# Altium PCB Copy of PcbLayout.PcbDoc
Units mil, origin at the board's own origin, x right, y up, seen from the top; angles counter-clockwise.
Board outline 3945 x 2375 mil, 4 copper layers (Top level, GND, VDD Islands, Bottom level), stack 23.756 mil thick; 148 components, 113 nets, 459 pads, 0 vias.
Unrouted connection lines stored in the file: 307.
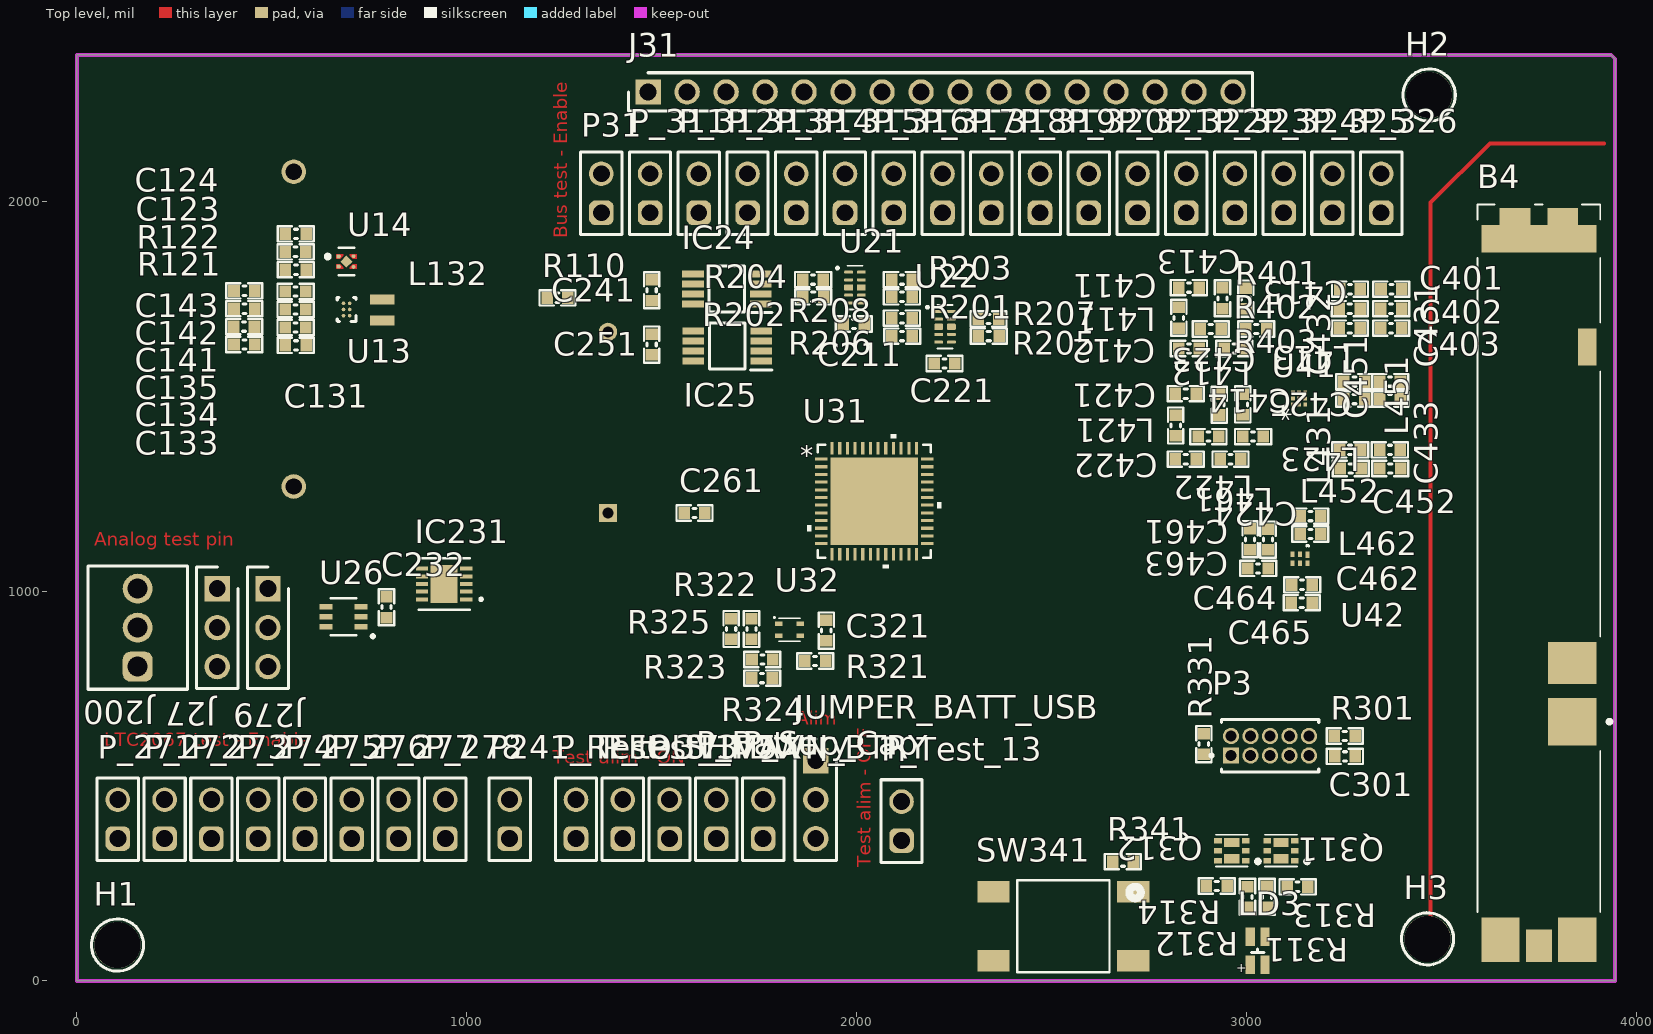
[diagram p0: Top level view]
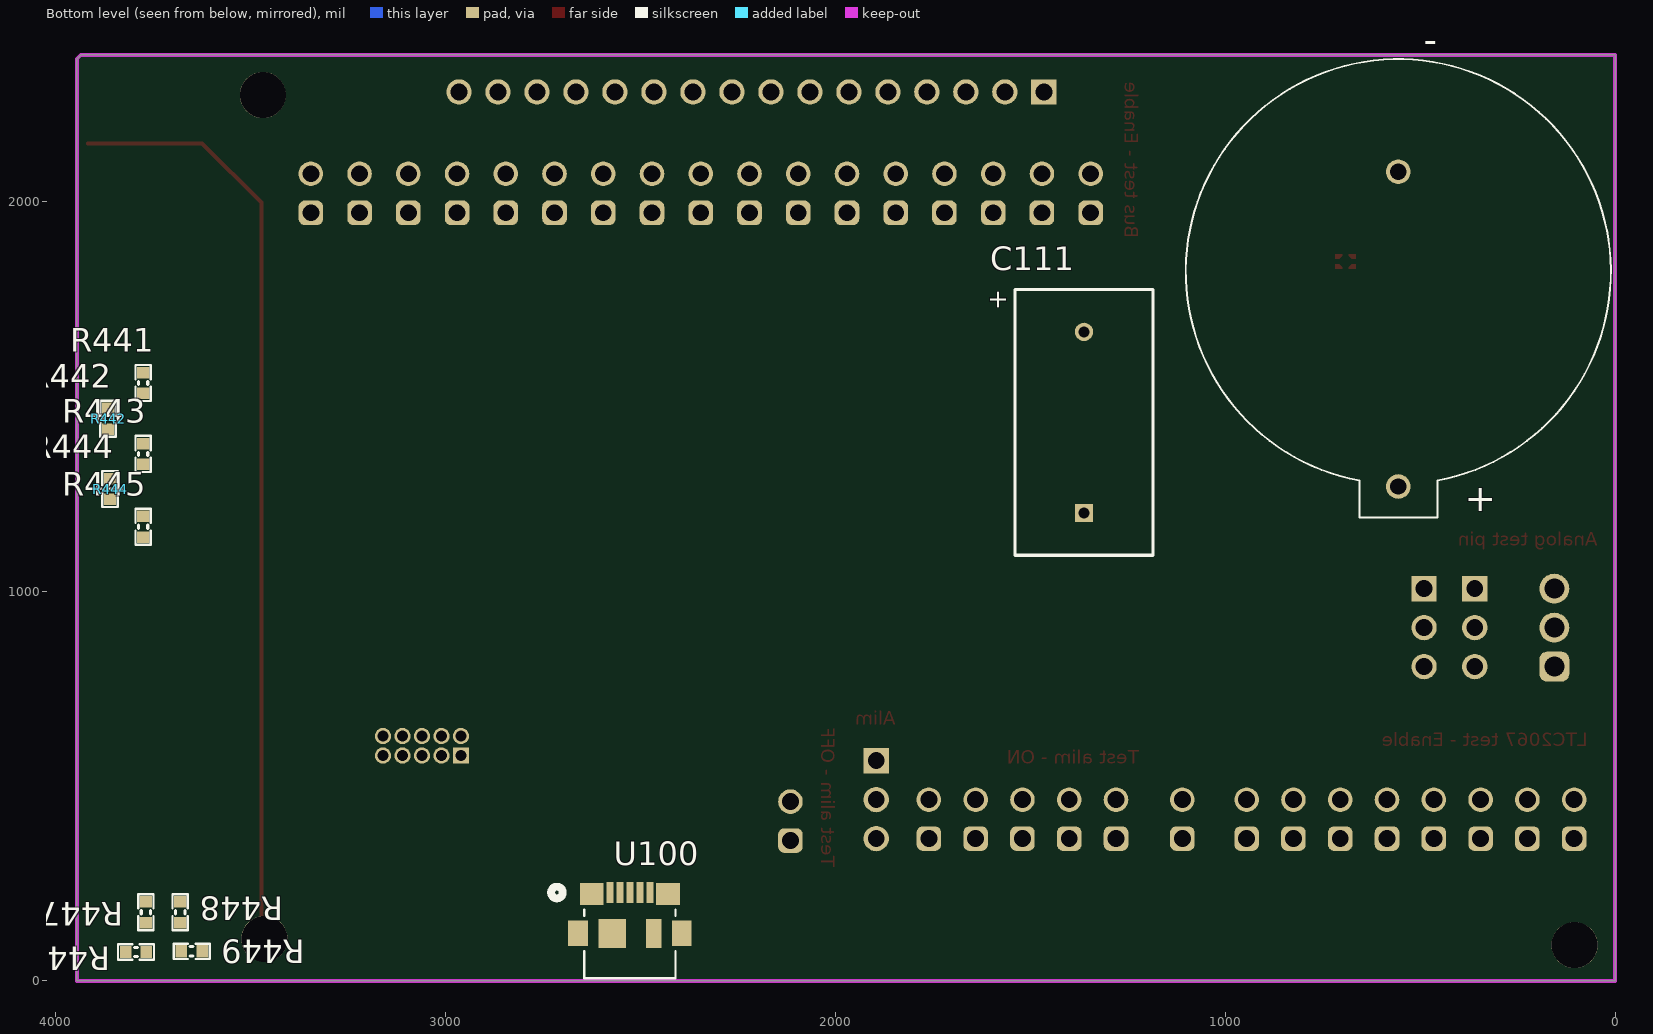
[diagram p1: Bottom level view, seen from below]

## Layer stack, top to bottom
Top Solder: solder mask 0.4, Solder Resist, Dk 3.5
Top level: signal copper 1.4
Dielectric 2: prepreg 2.8, PP-006, Dk 4.1
GND: signal copper 1.378
Dielectric 1: dielectric 12.6, FR-4, Dk 4.8
VDD Islands: signal copper 1.378
Dielectric 3: prepreg 2.8, PP-006, Dk 4.1
Bottom level: signal copper 1.4
Bottom Solder: solder mask 0.4, Solder Resist, Dk 3.5

## Board outline
0,0 0,2375 3935,2375 3945,2365 3945,0

## Design rules (kind name [scope] priority, off if disabled: settings)
Clearance [All] p1: gap=5 ignorepadtopadclearanceinfootprint=TRUE
PolygonConnect [All] p1: connectstyle=Relief reliefconductorwidth=10 reliefentries=4 polygonreliefangle="90 Angle" airgapwidth=10
RoutingVias [All] p1: holewidth=28 width=50 viastyle="Through Hole" minholewidth=28 minwidth=50 maxholewidth=28 maxwidth=50
SolderMaskExpansion [All] p1: expansion=4 istentingtop=FALSE
Width [All] p1: maxlimit=10 minlimit=5 preferedwidth=10 toplayer_prefwidth=5 midlayer1_minwidth=10 midlayer2_minwidth=10 bottomlayer_prefwidth=5 minimp=50.000000 maximp=50.000000 favimp=50.000000
30 further rules are at their usual default settings.

## Classes and differential pairs
net class N000-1_[16..1]: A0_Drain A0_Gate A1_Drain A1_Gate ANALOG1 ANALOG2 ANALOG3 ANALOG4 ANALOG5 ANALOG6 ANALOG7 ANALOG8 ANALOG9 ANALOG10 ANALOG11 ANALOG12
component class RF_antenna: B4 C401 C402 C403 C411 C412 C413 C414 C415 C421 C422 C423 C424 C425 C431 C432 C433 C451 C452 C461 C462 C463 C464 C465 L411 L412 L413 L421 L422 L423 L431 L451 L452 L461 L462 R401 R402 R403 R441 R442 R443 R444 R445 R446 R447 R448 R449 U41 U42
component class Processor: C301 C321 H1 H2 H3 J31 LD3 P3 P31 P_311 P_312 P_313 P_314 P_315 P_316 P_317 P_318 P_319 P_320 P_321 P_322 P_323 P_324 P_325 P_326 Q311 Q312 R301 R311 R312 R313 R314 R321 R322 R323 R324 R325 R331 R341 SW341 U31 U32
component class PowerElectronics: BT? C111 C123 C124 C131 C133 C134 C135 C141 C142 C143 JUMPER_BATT_USB L132 P_Battery P_SHTDWN_BTRY P_Sup_Cap P_test_1V5 P_Test_3V3 P_Test_13 R110 R121 R122 U13 U14 U100
component class AnalogParts: C211 C221 C232 C241 C251 C261 IC24 IC25 IC231 J27 J200 J279 P241_REFOUT_MAX P_271 P_272 P_273 P_274 P_275 P_276 P_277 P_278 R201 R202 R203 R204 R205 R206 R207 R208 U21 U22 U26

## Components (designator, comment, footprint, x,y, rotation, side; value= is the part's Value field where it differs from the comment)
B4 "P822601" P822601 3749.37,1015.39 r90 top
BT? "BatteryHolder_2477" BatteryHolder2477 556,1819.18 r180 bottom
C111 "0.47F" TH_SUPCAP_PHVL3R9V474R 1362.1,1200 r90 bottom
C123 "100µF" CAPC1608X06L 429.54,1723.99 r180 top value=4.7µF
C124 "1µF" CAPC1608X06L 429.54,1769.99 r180 top value=4.7µF
C131 "10µF" CAPC1608X06L 561.54,1629.99 r0 top value=4.7µF
C133 "10µF" CAPC1608X06L 560.97,1675.99 r0 top value=4.7µF
C134 "10µF" CAPC1608X06L 560.97,1721.99 r0 top value=4.7µF
C135 "22µF" CAPC1608X06L 560.97,1767.99 r0 top value=4.7µF
C141 "1µF" CAPC1608X06L 561.54,1823.99 r0 top
C142 "1µF" CAPC1608X06L 560.97,1869.99 r0 top
C143 "1µF" CAPC1608X06L 561.54,1915.99 r0 top
C211 "100nF" CAPC1608X06L 1992.57,1684.63 r180 top value=4.7µF
C221 "100nF" CAPC1608X06L 2225.01,1583.68 r180 top value=4.7µF
C232 "100nF" CAPC1608X06L 794,958.57 r90 top value=4.7µF
C241 "100nF" CAPC1608X06L 1474,1771.42 r270 top value=4.7µF
C251 "100nF" CAPC1608X06L 1474,1631.99 r270 top value=4.7µF
C261 "100nF" CAPC1608X06L 1584,1200 r180 top value=4.7µF
C301 "100nF" CAPC1608X06L 3252,576 r180 top
C321 "100nF" CAPC1608X06L 1922,898.57 r270 top
C401 "1nF" CAPC1608X06L 3371.15,1774 r180 top
C402 "1nF" CAPC1608X06L 3370.57,1724 r180 top
C403 "1nF" CAPC1608X06L 3370.57,1674 r180 top
C411 "1.3pF" CAPC1608X06L 2852,1778 r180 top
C412 "33pF" CAPC1608X06L 2852,1622 r0 top
C413 "3.3pF" CAPC1608X06L 2938,1750.57 r270 top
C414 "2.7pF" CAPC1608X06L 2968.57,1622 r0 top
C415 "5.6pF" CAPC1608X06L 2998,1750 r270 top
C421 "1.2pF" CAPC1608X06L 2844,1506 r180 top
C422 "68pF" CAPC1608X06L 2844,1338 r0 top
C423 "5.6pF" CAPC1608X06L 2930,1478 r90 top
C424 "2.2pF" CAPC1608X06L 2958.57,1338 r0 top
C425 "1.2pF" CAPC1608X06L 2990,1478.57 r90 top
C431 "1pF" CAPC1608X06L 3368,1537 r180 top
C432 "3.6pF" CAPC1608X06L 3276.15,1537 r180 top
C433 "2.7pF" CAPC1608X06L 3368,1492 r0 top
C451 "2.4pF" CAPC1608X06L 3265.43,1362 r180 top
C452 "0.3pF" CAPC1608X06L 3368.28,1314 r180 top
C461 "33pF" CAPC1608X06L 3008.85,1132.57 r270 top
C462 "33pF" CAPC1608X06L 3163.43,1146 r180 top value=2.4pF
C463 "1.2pF" CAPC1608X06L 3029.43,1058 r180 top
C464 "68pF" CAPC1608X06L 3142.28,1016 r0 top
C465 "47nF" CAPC1608X06L 3141.43,970 r0 top
H1 "3mm,N.P" HOLE_NP_3MM 104,92 r0 top
H2 "3mm,N.P" HOLE_NP_3MM 3468,2272 r0 top
H3 "3mm,N.P" HOLE_NP_3MM 3464,108 r0 top
IC24 "MAX5523EUA+" MAX5523EUA+ 1666.91,1774.79 r180 top
IC25 "MAX5523EUA+" MAX5523EUA+ 1668,1627.99 r180 top
IC231 "LTC2067IDD#TRPBF" 05-08-1699_ADI 942,1018 r180 top
J27 "CONN HEADER VERT 3POS 2.54MM" "CONN HEADER VERT 3POS 2.54MM" 360,1006 r270 top
J31 "PinStrip_16p" PinStrip_16p 1465,2280 r0 top
J200 "691210910003" CONN_3P_691210910003 156,906 r90 top
J279 "CONN HEADER VERT 3POS 2.54MM" "CONN HEADER VERT 3POS 2.54MM" 490,1006 r270 top
JUMPER_BATT_USB "CONN HEADER VERT 3POS 2.54MM" "CONN HEADER VERT 3POS 2.54MM" 1895,565 r270 top
L132 "2.2µH" INDC2016X10CX 783.54,1720.57 r90 top
L411 "8.7nH" INDC1608X06L_WW 2826,1700.57 r90 top
L412 "3nH" INDC1608X06L_WW 2908,1672 r0 top
L413 "3.3nH" INDC1608X06L_WW 3024.57,1672 r180 top value=3nH
L421 "8.7nH" INDC1608X06L_WW 2818,1424.57 r90 top
L422 "3.6nH" INDC1608X06L_WW 2902,1396 r0 top
L423 "3.6nH" INDC1608X06L_WW 3016.57,1396 r180 top
L431 "11nH" INDC1608X06L_WW 3276.15,1492 r180 top
L451 "24nH" INDC1608X06L_WW 3367.43,1362 r0 top
L452 "1nH" INDC1608X06L_WW 3266.85,1314 r180 top
L461 "33nH" INDC1608X06L_WW 3054.85,1132 r90 top
L462 "47nH" INDC1608X06L_WW 3163.43,1192 r180 top
LD3 "LED RG" LED_RGB_0805 3028,77.43 r0 top
P3 "FTSH-105-01-F-D-K" HDR_2x5-THT-1.27mm-K 2960,578 r0 top
P31 "Pin header 2p" Pin_header_1x2 1345,2020 r90 top
P241_REFOUT_MAX "Pin header 2p" Pin_header_1x2 1110,415 r90 top
P_271 "Pin header 2p" Pin_header_1x2 105,415 r90 top
P_272 "Pin header 2p" Pin_header_1x2 225,415 r90 top
P_273 "Pin header 2p" Pin_header_1x2 345,415 r90 top
P_274 "Pin header 2p" Pin_header_1x2 465,415 r90 top
P_275 "Pin header 2p" Pin_header_1x2 585,415 r90 top
P_276 "Pin header 2p" Pin_header_1x2 705,415 r90 top
P_277 "Pin header 2p" Pin_header_1x2 825,415 r90 top
P_278 "Pin header 2p" Pin_header_1x2 945,415 r90 top
P_311 "Pin header 2p" Pin_header_1x2 1470,2020 r90 top
P_312 "Pin header 2p" Pin_header_1x2 1595,2020 r90 top
P_313 "Pin header 2p" Pin_header_1x2 1720,2020 r90 top
P_314 "Pin header 2p" Pin_header_1x2 1845,2020 r90 top
P_315 "Pin header 2p" Pin_header_1x2 1970,2020 r90 top
P_316 "Pin header 2p" Pin_header_1x2 2095,2020 r90 top
P_317 "Pin header 2p" Pin_header_1x2 2220,2020 r90 top
P_318 "Pin header 2p" Pin_header_1x2 2345,2020 r90 top
P_319 "Pin header 2p" Pin_header_1x2 2470,2020 r90 top
P_320 "Pin header 2p" Pin_header_1x2 2595,2020 r90 top
P_321 "Pin header 2p" Pin_header_1x2 2720,2020 r90 top
P_322 "Pin header 2p" Pin_header_1x2 2845,2020 r90 top
P_323 "Pin header 2p" Pin_header_1x2 2970,2020 r90 top
P_324 "Pin header 2p" Pin_header_1x2 3095,2020 r90 top
P_325 "Pin header 2p" Pin_header_1x2 3220,2020 r90 top
P_326 "Pin header 2p" Pin_header_1x2 3345,2020 r90 top
P_Battery "Pin header 2p" Pin_header_1x2 1640,415 r90 top
P_SHTDWN_BTRY "Pin header 2p" Pin_header_1x2 1520,415 r90 top
P_Sup_Cap "Pin header 2p" Pin_header_1x2 1760,415 r90 top
P_test_1V5 "Pin header 2p" Pin_header_1x2 1400,415 r90 top
P_Test_3V3 "Pin header 2p" Pin_header_1x2 1280,415 r90 top
P_Test_13 "Pin header 2p" Pin_header_1x2 2115,410 r90 top
Q311 "DMN1029UFDB" MOSFET_DMP2160UFDB-7 3088,334.09 r180 top
Q312 "DMN1029UFDB" MOSFET_DMP2160UFDB-7 2962,334.09 r180 top
R110 "*" RESC1608X04.5L 1232.57,1752 r0 top
R121 "7.5M" RESC1608X04.5L 429.54,1631.99 r180 top
R122 "3.6M" RESC1608X04.5L 428.97,1677.99 r0 top
R201 "*" RESC1608X04.5L 2116,1754.63 r0 top
R202 "*" RESC1608X04.5L 1888.57,1754.63 r180 top
R203 "*" RESC1608X04.5L 2116,1798.63 r0 top
R204 "*" RESC1608X04.5L 1888,1798.63 r180 top
R205 "*" RESC1608X04.5L 2338.44,1653.68 r0 top
R206 "*" RESC1608X04.5L 2116.44,1653.68 r180 top
R207 "*" RESC1608X04.5L 2337.86,1697.68 r0 top
R208 "*" RESC1608X04.5L 2115.86,1699.68 r180 top
R301 "" RESC1608X04.5L 3251.43,628 r0 top
R311 "" RESC1608X04.5L 3052,216 r270 top
R312 "" RESC1608X04.5L 3002,215.43 r270 top
R313 "" RESC1608X04.5L 3130.57,241.43 r0 top
R314 "" RESC1608X04.5L 2923.43,243.43 r0 top
R321 "" RESC1608X04.5L 1893.43,820.57 r180 top
R322 "10k" RESC1608X04.5L 1730,902.57 r270 top value="10K ohm"
R323 "10k" RESC1608X04.5L 1758,824.57 r180 top value="10k ohm"
R324 "" RESC1608X04.5L 1757.43,776.57 r0 top
R325 "" RESC1608X04.5L 1678,902.57 r90 top
R331 "" RESC1608X04.5L 2890,607.43 r270 top
R341 "10k" RESC1608X04.5L 2682.57,306 r180 top value="10K ohm"
R401 "100R" RESC1608X04.5L 3265.15,1774 r0 top value=100
R402 "100R" RESC1608X04.5L 3264.57,1724 r0 top value=100
R403 "100R" RESC1608X04.5L 3264.57,1674 r180 top value=100
R441 "0R" RESC1608X04.5L 3775,1533.43 r270 bottom value=0
R442 "0R" RESC1608X04.5L 3865,1441.57 r270 bottom value=0
R443 "0R" RESC1608X04.5L 3775,1351.57 r270 bottom value=0
R444 "0R" RESC1608X04.5L 3860,1261.57 r270 bottom value=0
R445 "0R" RESC1608X04.5L 3775,1165 r270 bottom value=0
R446 "0R" RESC1608X04.5L 3793.43,74 r0 bottom value=0
R447 "0R" RESC1608X04.5L 3768,176 r90 bottom value=0
R448 "0R" RESC1608X04.5L 3680,176 r270 bottom value=0
R449 "0R" RESC1608X04.5L 3650.57,76 r0 bottom value=0
SW341 "PB SW" Switch-PB-6.2x6.3mm-SMD 2530,140 r180 top
U13 "TPS610994YFFT" YFF0006AFAD 691.67,1721.99 r180 top
U14 "TPS7A0215PDQNR" DQN0004A-MFG 691.43,1844.98 r0 top
U21 "TMUX1104DQAR" TMUX1104DQAR 1995.56,1778.32 r0 top
U22 "TMUX1104DQAR" TMUX1104DQAR 2226.44,1677.68 r0 top
U26 "TMUX1119DCKR" SC70_200X125_6N 684,934 r180 top
U31 "STM32WLE5CCU7" UFQFPN_5CCU7_STM 2045,1230 r0 top
U32 "SHT40-AD1B-R2" SHT4X 1828,900.57 r0 top
U41 "BGS13S4N9E6327XTSA1" TSNP-9-3_INF 3134.5,1494 r90 top
U42 "NX3L1T3157GM,115" XSON6_SOT886_NXP 3136.85,1082.5 r270 top
U100 "473460001" 47346-0001_MOL 2526.72,125.14 r180 bottom

## Footprints (in the part's own frame and the unit in brackets; to place one, negate y for a bottom-side part, rotate by r counter-clockwise, add the part's x,y. Pads: shape width x height; smd on the part's side, far side on the other; paste and mask are expansions set on the pad)
05-08-1699_ADI [mm]
  rect 0.808x0.255 smd paste+0 mask+0: 1(-1.445,1) 2(-1.445,0.5) 3(-1.445,0) 4(-1.445,-0.5) 5(-1.445,-1) 6(1.445,-1) 7(1.445,-0.5) 8(1.445,0) 9(1.445,0.5) 10(1.445,1)
  rect 1.753x2.489 smd paste+0 mask+0: 11(0,0)
  silkscreen extent -2.5,-1.68 1.68,1.68, body extent -1.55,-1.55 1.55,1.55, height 0.81
47346-0001_MOL [mil]
  rect 18x54 smd paste+0 mask+0: 1(-51.18,101.58) 2(-25.59,101.58) 3(0,101.58) 4(25.59,101.58) 5(51.18,101.58)
  rect 61x56 smd paste-30.5 mask-30.5: 6(-97.93,98.24) 7(97.93,98.24)
  rect 51x65 smd paste-32.5 mask-32.5: 8(-132.87,-3.14) 9(132.87,-3.14)
  rect 71x75 smd paste-37.5 mask-37.5: 10(-45.28,-3.14)
  rect 39x75 smd paste-37.5 mask-37.5: 11(61,-3.14)
  silkscreen extent -202,-118 117,117
BatteryHolder2477 [mil]
  round 63 hole 42: N(0,255.91) P(0,-551.18)
  silkscreen extent -545,-630 545,545, body extent -545,-630 545,545, height 540
CAPC1608X06L [mm]
  rect 0.75x0.8 smd: 1(-0.675,0) 2(0.675,0)
  silkscreen extent -1.17,-0.5 1.17,0.5, body extent -0.8,-0.43 0.8,0.43, height 0.8
"CONN HEADER VERT 3POS 2.54MM" [mm]
  rect 1.65x1.65 hole 1.1: 1(0,0)
  round 1.65 hole 1.1: 2(2.54,0) 3(5.08,0)
  silkscreen extent -1.42,-1.35 6.5,1.35, body extent -1.27,-1.27 6.35,1.27, height 8.69
CONN_3P_691210910003 [mm] "2,54mm - modular - green - Horizontal wire entry - Cage clamp - 0,8mm2 wires - 03p"
  rrect50% 1.95x1.95 hole 1.3: 1(-2.54,0)
  round 1.95 hole 1.3: 2(0,0) 3(2.54,0)
  silkscreen extent -4.01,-3.25 4.01,3.25, body extent -4.01,-3.25 4.01,3.25, height 8.55
DQN0004A-MFG [mm]
  round 0.279 smd paste-0.127 mask-0.127: 1(-0.505,0.33) 2(-0.505,-0.33)
  round 0.251 smd paste-0.113 mask-0.114: 3(0.459,-0.346) 4(0.459,0.346)
  rect 0.58x0.58 smd rot 135 paste-0.277 mask-0.279: 5(0,0)
  Top level region: -0.66,0.175 -0.66,0.485 -0.2,0.485 -0.2,0.385 -0.41,0.175
  Top level region: 0.66,-0.175 0.66,-0.485 0.2,-0.485 0.2,-0.385 0.41,-0.175
  Top level region: 0.66,0.175 0.66,0.485 0.2,0.485 0.2,0.385 0.41,0.175
  Top level region: -0.66,-0.175 -0.66,-0.485 -0.2,-0.485 -0.2,-0.385 -0.41,-0.175
  silkscreen extent -1.35,-0.9 0.53,0.9
HDR_2x5-THT-1.27mm-K [mm]
  rect 1.06x1.06 hole 0.71 mask+0.05: 01(0,0)
  round 1.06 hole 0.71 mask+0.05: 02(0,1.27) 03(1.27,0) 04(1.27,1.27) 05(2.54,0) 06(2.54,1.27) 07(3.81,0) 08(3.81,1.27) 09(5.08,0) 10(5.08,1.27)
  silkscreen extent -1.37,-1.08 5.71,2.35, body extent -0.63,-1.89 5.72,3.19, height 5.73
HOLE_NP_3MM [mm]
  round 3 hole 3 unplated paste+0 mask+0: 1(0,0)
  silkscreen extent -1.7,-1.7 1.7,1.7
INDC1608X06L_WW [mm]
  rect 0.75x0.8 smd: 1(-0.675,0) 2(0.675,0)
  silkscreen extent -1.17,-0.5 1.17,0.5, body extent -0.8,-0.45 0.8,0.45, height 0.81
INDC2016X10CX [mm]
  rect 0.65x1.6 smd: 1(-0.675,0) 2(0.675,0)
  body extent -1,-0.8 1,0.8, height 1
LED_RGB_0805 [mm]
  rect 0.6x1.2 smd paste+0 mask+0.05: 1(-0.475,0.9) 2(0.475,0.9) 3(0.475,-0.9) 4(-0.475,-0.9)
  silkscreen extent -0.41,-0.1 0.41,0.1, body extent -0.63,-1 0.63,1, height 0.45
MAX5523EUA+ [mm]
  rect 1.425x0.45 smd: 1(-2.212,0.975) 2(-2.212,0.325) 3(-2.212,-0.325) 4(-2.212,-0.975) 5(2.212,-0.975) 6(2.212,-0.325) 7(2.212,0.325) 8(2.212,0.975)
  silkscreen extent -2.93,-1.5 1.15,1.55, body extent -2.45,-1.5 2.45,1.5, height 1.1
MOSFET_DMP2160UFDB-7 [mm]
  rect 0.5x0.35 smd mask+0.04: 1(-0.9,0.65)
  rect 0.5x0.35 smd mask+0.05: 2(-0.9,0) 3(-0.9,-0.65) 4(0.9,-0.65) 5(0.9,0) 6(0.9,0.65)
  rect 1x0.6 smd mask+0.05: 3(0,-0.525) 6(0,0.525)
  silkscreen extent -1.8,-1.04 1.04,1.04, body extent -1.11,-1 1.11,1, height 0.7
P822601 [mm]
  rect 3.1x3.15 smd: 1(-8.9,-2.175)
  rect 2.73x3.15 smd: 2(-5.085,-2.175)
  rect 1.8x7.5 smd: 3(22.55,0)
  rect 1.1x2 smd: 3_1(24,1.55) 3_2(24,-1.55)
  rect 2.4x1.2 smd: 4(15.5,-3.15)
  rect 2.9x2.5 smd: 5(-23.1,2.5) 7(-23.1,-2.5)
  rect 2.1x1.7 smd: 6(-23.5,0)
  silkscreen extent -21.3,-4.7 24.8,4, body extent -24.8,-4 24.8,4, height 3.52
Pin_header_1x2 [mm] "Pin Header, pitch 2.54 mm, THT, Vertical, single row, 2p"
  rrect50% 1.6x1.6 hole 1.1: 1(-1.27,0)
  round 1.6 hole 1.1: 2(1.27,0)
  silkscreen extent -2.69,-1.35 2.69,1.35, body extent -2.54,-1.27 2.54,1.27, height 8.57
PinStrip_16p [mm]
  rect 1.65x1.65 hole 1.1: 1(0,0)
  round 1.65 hole 1.1: 2(2.54,0) 3(5.08,0) 4(7.62,0) 5(10.16,0) 6(12.7,0) 7(15.24,0) 8(17.78,0) 9(20.32,0) 10(22.86,0) 11(25.4,0) 12(27.94,0) 13(30.48,0) 14(33.02,0) 15(35.56,0) 16(38.1,0)
  silkscreen extent -1.27,-1.25 39.37,1.25, body extent -1.27,-1.25 39.37,1.25, height 8.47
RESC1608X04.5L [mm]
  rect 0.75x0.8 smd: 1(-0.675,0) 2(0.675,0)
  silkscreen extent -1.17,-0.5 1.17,0.5, body extent -0.77,-0.43 0.77,0.43, height 0.55
SC70_200X125_6N [mil]
  rect 33.5x14 smd paste+0 mask+2: 1(-44.75,25.59) 2(-44.75,0) 3(-44.75,-25.59) 4(44.75,-25.59) 5(44.75,0) 6(44.75,25.59)
  silkscreen extent -79,-48 33,54, body extent -48,-43 48,43, height 43
SHT4X [mm]
  rect 0.5x0.3 smd: 1(-0.7,0.4) 2(-0.7,-0.4) 3(0.7,-0.4) 4(0.7,0.4)
  silkscreen extent -1.05,-0.75 0.7,0.85, body extent -0.75,-0.75 0.75,0.75, height 0.54
Switch-PB-6.2x6.3mm-SMD [mm]
  rect 2.1x1.4 smd: 1(-4.55,2.25) 1(4.55,2.25) 2(-4.55,-2.25) 2(4.55,-2.25)
  silkscreen extent -3,-3 3,3, body extent -5,-3 5,3, height 4.39
TH_SUPCAP_PHVL3R9V474R [mm]
  rect 1.2x1.2 hole 0.7: 1(0,0)
  round 1.2 hole 0.7: 2(11.8,0)
  silkscreen extent -2.75,-4.5 14.55,4.5, body extent -2.5,-4.29 14.3,4.21, height 13.65
TMUX1104DQAR [mm]
  rrect50% 0.565x0.2 smd mask+0.05: 1(-0.417,1) 2(-0.417,0.5) 4(-0.417,-0.5) 5(-0.417,-1) 6(0.417,-1) 7(0.417,-0.5) 9(0.417,0.5) 10(0.417,1)
  rrect25% 0.565x0.4 smd paste-1 mask+0.05: 3(-0.417,0) 8(0.417,0)
  silkscreen extent -1.22,-1.42 0.5,1.42, body extent -0.5,-1.25 0.5,1.25, height 0.55
TSNP-9-3_INF [mil]
  rect 10x10 smd paste+0 mask+0: 1(-15.5,15.75) 2(-15.5,0) 3(-15.5,-15.75) 4(0,-15.5) 5(15.5,-15.75) 6(15.5,0) 7(15.5,15.75) 8(0,15.5) 9(0,0)
UFQFPN_5CCU7_STM [mil]
  rect 32x8 smd paste+0 mask+0: 1(-136,108.3) 2(-136,88.61) 3(-136,68.91) 4(-136,49.22) 5(-136,29.53) 6(-136,9.84) 7(-136,-9.84) 8(-136,-29.53) 9(-136,-49.22) 10(-136,-68.91) 11(-136,-88.61) 12(-136,-108.3) 25(136,-108.3) 26(136,-88.61) 27(136,-68.91) 28(136,-49.22) 29(136,-29.53) 30(136,-9.84) 31(136,9.84) 32(136,29.53) 33(136,49.22) 34(136,68.91) 35(136,88.61) 36(136,108.3)
  rect 8x32 smd paste+0 mask+0: 13(-108.3,-136) 14(-88.61,-136) 15(-68.91,-136) 16(-49.22,-136) 17(-29.53,-136) 18(-9.84,-136) 19(9.84,-136) 20(29.53,-136) 21(49.22,-136) 22(68.91,-136) 23(88.61,-136) 24(108.3,-136) 37(108.3,136) 38(88.61,136) 39(68.91,136) 40(49.22,136) 41(29.53,136) 42(9.84,136) 43(-9.84,136) 44(-29.53,136) 45(-49.22,136) 46(-68.91,136) 47(-88.61,136) 48(-108.3,136)
  rect 224x224 smd paste-111.5 mask+0: 49(0,0)
  silkscreen extent -172,-172 172,172, body extent -140,-140 140,140, height 24
XSON6_SOT886_NXP [mil]
  rect 16x10 smd paste+0 mask+0: 1(-10.5,19.68)
  rect 14x10 smd paste+0 mask+0: 2(-11.5,0) 3(-11.5,-19.69) 4(11.5,-19.69) 5(11.5,0) 6(11.5,19.68)
  silkscreen extent -35,17 -32,23, body extent -21,-29 21,29, height 20
YFF0006AFAD [mm]
  round 0.23 smd paste-0.102 mask+0.038: A1(-0.2,0.4) A2(0.2,0.4) B1(-0.2,0) B2(0.2,0) C1(-0.2,-0.4) C2(0.2,-0.4)
  silkscreen extent -0.61,-0.78 0.61,0.78

## Part data
B4: "AVX - P822601 - EMBEDDED ANTENNA, 1.7-2.7GHZ, 3.4DBI", Manufacturer_Name=AVX, Mouser Part Number=581-P822601, Datasheet Link=http://datasheets.avx.com/ethertronics/AVX-E_P822601-P822602.pdf, Geometry.Height=3.5mm, Manufacturer_Part_Number=P822601, Mouser Price/Stock=https://www.mouser.co.uk/ProductDetail/AVX/P822601?qs=vdi0iO8H4N0igrTLYxGIXg%3D%3D
BT?: "Battery holder for coin battery, modello BH1000G"
C111: library part PHVL-3R9V474-R, "Supercapacitors 0.47F, 3.9V working voltage, 5V surge voltage, 1µA leak current"
C123 C124 C131 C133 C134 C135 C141 C142 C143 C211 C221 C232 C241 C251 C261 C301 C321 C401 C402 C403 C411 C412 C413 C414 C415 C421 C422 C423 C424 C425 C431 C432 C433 C451 C452 C461 C462 C463 C464 C465: library part C0603-4µ7, "Capacitor, X5R, ±10%"
H1 H2 H3: library part Hole_3MM_NP, "Regular Non-Plated, 3mm hole"
IC24 IC25: "Integrated Circuit", Manufacturer_Name="Analog Devices", Mouser Part Number=700-MAX5523EUA, Datasheet Link=https://pdfserv.maximintegrated.com/en/ds/MAX5522-MAX5525.pdf, Height=1.1mm, Manufacturer_Part_Number=MAX5523EUA+, Mouser Price/Stock=https://www.mouser.co.uk/ProductDetail/Analog-Devices-Maxim-Integrated/MAX5523EUA%2b?qs=9Cj2FLRihcNj5G7tv6WL1A%3D%3D
IC231: "No Description Available", Mfr_Name="Analog Devices Inc", RefDes=RefDes, Type=Linear
J27 J279 JUMPER_BATT_USB: "Connector", Manufacturer_Name="Wurth Elektronik", Manufacturer_Part_Number=61300311121, Mouser Part Number=710-61300311121, Datasheet Link=http://katalog.we-online.de/em/datasheet/6130xx11121.pdf, Height=8.69mm, Mouser Price/Stock=https://www.mouser.co.uk/ProductDetail/Wurth-Elektronik/61300311121?qs=PhR8RmCirEYxRWFJzNKsUw%3D%3D
J31: "Connector", Arrow Part Number=PH1-16-UA, Manufacturer_Name="Adam Tech", Arrow Price/Stock=https://www.arrow.com/en/products/ph1-16-ua/adam-tech?region=nac, Datasheet Link=https://www.arrow.com/en/products/ph1-16-ua/adam-tech, Height=8.469mm, Manufacturer_Part_Number=PH1-16-UA
J200: library part CONN_3P_691210910003, "WR-TBL Series 2109 Horizontal Entry, THT, pitch 2.54mm, 3p", Manufacturer="Wurth Elektronik", Operating Temperature Max=105°C, Operating Temperature Min=-40°C, Rated Current=6A, Working Voltage=150V, Application="Rising Cage Clamp", Category="Terminal Blocks", ComponentLink1Description="Website Link", ComponentLink1URL=https://www.we-online.com/redexpert/article/691210910003?ad, ComponentLink2Description="Datasheet Link", ComponentLink2URL=https://www.we-online.com/redexpert/spec/691210910003?ad, Manufacturer Part Number=691210910003, Match Code=WR-TBL, Modularity=No, Mount="Through Hole", Number of Pins=3, Number of Rows=1, Orientation=Horizontal, Packaging=Box, Pitch=2.54mm
L132: library part L0806-2µ2-1.53A-163mOhm-TDK, "Shielded wirewound Inductor 1.53 A 163mOhm, ±20%", Package="NON STANDARD-2 TDK", Availability="In Stock", Check_prices=https://www.snapeda.com/parts/VLS201610CX-2R2M-1/TDK/view-part/?ref=eda, MF="TDK Corporation", MP=VLS201610CX-2R2M-1, Price=None, Purchase-URL=https://pricing.snapeda.com/search/part/VLS201610CX-2R2M-1/?ref=eda, SnapEDA_Link=https://www.snapeda.com/parts/VLS201610CX-2R2M-1/TDK/view-part/?ref=snap
L411 L412 L413 L421 L422 L423 L431 L451 L452 L461 L462: library part L0603-33n-Wirewound-Murata, "Inductor, 420mA, ±5%, 230mΩ, Q=40"
LD3: library part APHBM2012LSURKZGKC, "Red green LED 2 mm x 1.25 mm SMD"
P3: library part "Pin Header 2x5 THT, 1.27mm KS", "Connector Header Through Hole 10 position 0.050 (1.27mm)", Package=None, Availability=Bad, MF=Samtec, MP=FTSH-105-01-F-D-K, Price=None, SnapEDA_Link=https://www.snapeda.com/parts/FTSH-105-01-F-D-K/Samtec%20Inc./view-part/229423/?ref=snap, Toby_UK-Purchase-URL=https://snapeda.com/shop?store=Toby+UK&id=229423
P31 P241_REFOUT_MAX P_271 P_272 P_273 P_274 P_275 P_276 P_277 P_278 P_311 P_312 P_313 P_314 P_315 P_316 P_317 P_318 P_319 P_320 P_321 P_322 P_323 P_324 P_325 P_326 P_Battery P_SHTDWN_BTRY P_Sup_Cap P_test_1V5 P_Test_3V3 P_Test_13: "Pin Header, THT, Vertical, pitch 2.54mm, 1 Row, 2P"
Q311 Q312: "Dual N Ch MOFET, 5.6A, 29mOhm max, 1.4W"
R110 R121 R122 R201 R202 R203 R204 R205 R206 R207 R208 R301 R311 R312 R313 R314 R321 R322 R323 R324 R325 R331 R341 R401 R402 R403 R441 R442 R443 R444 R445 R446 R447 R448 R449: library part R0603, "Resistor, ±1%, 0.063W"
SW341: library part Switch-PB-6.2x6.3mm-SMD, "Tactile Switch, SPNO, SMD, 160gf, 6.2x6.3x2.5mm"
U13 U14: "No Description Available", Mfr_Name="Texas Instruments", RefDes=RefDes, Type=TYPE
U21 U22: "Multiplexer 4:1, 3-pA on-state leakage current, 1.08v - 5V supply range"
U26: "2:1 precision switch, low leakage current, 1.08v - 5V supply range", Package="SOT-SC70-6 Texas Instruments", Availability=Unavailable, MF="Texas Instruments", MP=TMUX1119DCKR, Price=None, SnapEDA_Link=https://www.snapeda.com/parts/TMUX1119DCKR/Texas%20Instruments/view-part/3222194/?ref=snap, Texas_Instruments-Purchase-URL=https://snapeda.com/shop?store=Texas+Instruments&id=3222194
U31: "No Description Available", Mfr_Name=STMicroelectronics, RefDes=RefDes, Type=Type
U32: "Humidity/Temperature Sensor Digital Serial (I2C) 4-Pin DFN EP T/R", Package=None, Availability="In Stock", Check_prices=https://www.snapeda.com/parts/SHT40-AD1B-R2/NSI/view-part/?ref=eda, MF="Sensirion AG", MP=SHT40-AD1B-R2, Price=None, Purchase-URL=https://pricing.snapeda.com/search/part/SHT40-AD1B-R2/?ref=eda, SnapEDA_Link=https://www.snapeda.com/parts/SHT40-AD1B-R2/NSI/view-part/?ref=snap
U41: "No Description Available", Mfr_Name=Infineon, RefDes=RefDes, Type=Type
U42: "No Description Available", Mfr_Name=NXP, RefDes=RefDes, Type=Type
U100: "No Description Available", Mfr_Name="Molex Connector Corporation", RefDes=RefDes, Type=Type

## Nets (pads, with @x,y where several pads share a name; then routed paths per layer and width w, separated by ;. In a path a pad name is that pad's centre, name@x,y a point inside that pad or via, vN(x,y) a via of type N, cw(c..) or ccw(c..) an arc to the next point about the centre after c; other vN are vias at no path point)
1V5: C143.2 P_test_1V5.2 U31.29 U31.45
3V3: C211.1 C221.1 C232.1 C241.1 C251.1 C261.1 IC24.6 IC25.6 IC231.10 LD3.3 LD3.4 P31.1 P_Test_3V3.2 R321.2 R341.2 U14.3 U14.4 U21.5 U21.6 U22.5 U22.6 U26.2 U31.11 U42.5
A0_Drain: J31.14 P_324.2 U22.1
A0_Gate: J31.16 P_326.2 U21.1
A1_Drain: J31.13 P_323.2 U22.10
A1_Gate: J31.15 P_325.2 U21.10
ANALOG1: C123.2 C124.2 J31.1 P_311.2 R121.2 R122.1
ANALOG2: J31.2 P_312.2 U26.1
ANALOG3: IC25.1 J31.3 P_313.2
ANALOG4: IC25.3 J31.4 P_314.2
ANALOG5: IC24.2 IC25.2 J31.5 P_315.2
ANALOG6: IC24.3 J31.6 P_316.2
ANALOG7: IC24.1 J31.7 P_317.2
ANALOG8: IC231.6 J31.8 P_318.2
ANALOG9: IC231.3 J31.9 J279.2 P_319.2
ANALOG10: IC231.1 J31.10 P_320.2 R201.2 R202.2 R203.2 R204.2
ANALOG11: IC25.8 IC231.7 J31.11 P_273.1 P_273.2 P_321.2
ANALOG12: IC231.9 J31.12 P_322.2 R205.2 R206.2 R207.2 R208.2
BT_POS: BT?.P P_Battery.2 R110.1 R121.1
CS_DRAIN_MICRO: P_313.1 U31.6
CS_GATE_MICRO: P_317.1 U31.43
D1: Q311.6 R311.1
D2: Q312.1 R312.1
DIN_DRAIN_MICRO: P_314.1 U31.40
DIN_GATE_MICRO: P_316.1 U31.17
Drain: IC231.8 J27.2 J200.2 P_278.1 P_278.2 U22.8
FE_CTRL1: R402.1 U31.12 U42.6
FE_CTRL2: R401.1 U31.13
FE_CTRL3: R403.2 U31.14
G_High: IC24.8 J279.3 P_271.1 P_271.2 U26.4
G_Low: IC24.5 P_272.1 P_272.2 U26.6
Gate: IC231.2 J27.3 J200.1 P_277.1 P_277.2 U21.8
GND: B4.2 BT?.N C111.1 C123.1 C124.1 C131.1 C133.1 C134.1 C135.1 C141.1 C142.1 C143.1 C211.2 C221.2 C232.2 C241.2 C251.2 C261.2 C301.2 C321.1 C401.1 C402.1 C403.1 C411.1 C413.1 C415.1 C421.1 C423.2 C425.2 C431.1 C433.2 C452.1 C461.1 C462.2 C463.2 C464.2 C465.2 IC24.7 IC25.7 IC231.4 IC231.5 IC231.11 L451.2 P3.03 P3.05 P3.09 P_275.1 P_275.2 P_276.1 P_276.2 P_Battery.1 P_Sup_Cap.1 P_Test_13.2 Q311.1 Q312.6 R122.2 R313.1 R314.1 SW341.1 U13.A2 U13.C2 U14.5 U21.3 U22.3 U26.3 U32.4 U41.6 U41.9 U42.2 U100.5
GRef: J279.1 U26.5
IN+_OP_AMP_DRAIN_MICRO: P_321.1 U31.38
IN+_OP_AMP_GATE_MICRO: P_319.1 U31.33
LED1: Q311.2 R313.2
LED2: Q312.2 R314.2 U31.3 U31.31
MUX_DRAIN_A0_MICRO: P_324.1 U31.10
MUX_DRAIN_A1_MICRO: P_323.1 U31.9
MUX_GATE_A0_MICRO: P_326.1 U31.8
MUX_GATE_A1_MICRO: P_325.1 U31.7
N_RST: R341.1 SW341.2 U31.18
NetB4_1: B4.1 C451.1 L451.1
NetB4_4: B4.4 R441.1
NetB4_5: B4.5 R446.1
NetC111_2: C111.2 P_SHTDWN_BTRY.2 P_Sup_Cap.2 R110.2
NetC131_2: C131.2 JUMPER_BATT_USB.2 L132.1 U13.A1 U13.C1
NetC133_2: C133.2 C134.2 C135.2 P_Test_3V3.1 P_Test_13.1 U13.B2
NetC141_2: C141.2 U14.2
NetC142_2: C142.2 P_test_1V5.1 U14.1
NetC321_2: C321.2 R321.1 R322.2 R323.2 U32.3
NetC401_2: C401.2 R401.2 U41.8
NetC402_2: C402.2 R402.2 U41.1
NetC403_2: C403.2 R403.1 U41.7
NetC411_2: C411.2 L411.2 U41.2
NetC412_1: C412.1 L411.1
NetC412_2: C412.2 C413.2 C414.1 L412.2
NetC414_2: C414.2 C415.2 L412.1 L413.2
NetC421_2: C421.2 L421.2 U41.5
NetC422_1: C422.1 L421.1
NetC422_2: C422.2 C423.1 C424.1 L422.2
NetC424_2: C424.2 C425.1 L422.1 L423.2
NetC431_2: C431.2 C432.1 U41.3
NetC451_2: C451.2 L452.2
NetC452_2: C452.2 L452.1 U41.4
NetC461_2: C461.2 L461.1 U42.3
NetC462_1: C462.1 L462.1 U42.1
NetIC24_4: IC24.4 P241_REFOUT_MAX.2
NetIC25_4: IC25.4 P241_REFOUT_MAX.1
NetJUMPER_BATT_USB_1: JUMPER_BATT_USB.1 P_SHTDWN_BTRY.1
NetLD3_1: LD3.1 R312.2
NetLD3_2: LD3.2 R311.2
NetP3_10: P3.10 R301.1
NetR201_1: R201.1 U21.7
NetR202_1: R202.1 U21.4
NetR203_1: R203.1 U21.9
NetR204_1: R204.1 U21.2
NetR205_1: R205.1 U22.7
NetR206_1: R206.1 U22.4
NetR207_1: R207.1 U22.9
NetR208_1: R208.1 U22.2
NetR322_1: R322.1 R325.2 U32.1
NetR323_1: R323.1 R324.2 U32.2
NetR331_2: R331.2 U31.1
NetR441_2: R441.2 R442.1
NetR442_2: R442.2 R443.1
NetR443_2: R443.2 R444.1
NetR444_2: R444.2 R445.1
NetR446_2: R446.2 R447.1
NetR447_2: R447.2 R448.1
NetR448_2: R448.2 R449.1
nReset: C301.1 R301.2 U31.34
OUT_OP_AMP_DRAIN_micro: P_322.1 U31.39
OUT_OP_AMP_GATE_MICRO: P_320.1 U31.32
PIN_MONITOR: P_311.1 U31.4
SCLK: R324.1 U31.15
SCLK_MICRO: P_315.1 U31.16
SDATA: R325.1 U31.2
SEL_MUX_VGATE_MICRO: P_312.1 U31.5
Sg_Radio_RF0_HP: L423.1 L461.2 U31.23
Sg_Radio_RF0_LP: L413.1 L462.2 U31.22
Sg_Radio_RFI_N: C433.1 L431.1 U31.21
Sg_Radio_RFI_P: C432.2 L431.2 U31.20
SHTDWN_LTC2067_MICRO: P_318.1 U31.35
Source: IC25.5 J27.1 J200.3 P_274.1 P_274.2
SW_Boost: L132.2 U13.B1
SWCLK: P3.04 U31.42
SWDIO: P3.02 U31.36
SWO: P3.06 R331.1
VDD_nrf91: P3.01 P31.2 U31.28 U31.37 U31.44 U31.46
VDD_USB: JUMPER_BATT_USB.3 U100.1
VR_PA: C463.1 C464.1 C465.1 U42.4
pads on no net: B4.3 B4.3_1 B4.3_2 B4.6 B4.7 H1.1 H2.1 H3.1 P3.07 P3.08 Q311.3 Q311.4 Q311.5 Q312.3 Q312.4 Q312.5 R445.2 R449.2 U31.19 U31.24 U31.25 U31.26 U31.27 U31.30 U31.41 U31.47 U31.48 U31.49 U100.2 U100.3 U100.4 U100.6 U100.7 U100.8 U100.9 U100.10 U100.11
copper on no net: | length 2387
  Top level w10: 3472,116 3472,1165 3472,1996 3624,2148 3916,2148

## Keep-outs
Keep-Out Layer:
  the board outline again, w10

## Other copper
Top level:
  text "Bus test - Enable" at 1269.39,1905 h60 r90
  text "Analog test pin" at 45,1105 h60
  text "Alim" at 1845,645 h60
  text "LTC2067 test - Enable" at 70,590 h60
  text "Test alim - ON" at 1220,545 h60
  text "Test alim - OFF" at 2048,292 h60 r90

## Dimensions
0,-150 to 3935,-110 on Bottom level
-105,-5 to -210,2360 on Bottom level

## Text inside footprints (layer, text, board x,y; h text height)
BT?: Bottom Assembly "+" at 521,1344.18 h70; Bottom Assembly "-" at 506,2129.18 h70; Bottom Overlay "-" at 491,2379.18 h70; Bottom Overlay "+" at 386,1204.18 h70
C111: Bottom Assembly "+" at 1412.1,1630 h59.06 r270; Bottom Assembly "-" at 1402.11,1195 h60 r270; Bottom Overlay "+" at 1562.1,1720 h47.24 r270
LD3: Top Overlay "+" at 2973,22.43 h23.62
U31: Top Overlay "*" at 1855.5,1323.14 h50; Mechanical 13 "*" at 1912.5,1323.14 h50
U41: Top Overlay "*" at 3135.88,1436 h50 r90; Mechanical 13 "*" at 3135.88,1471 h50 r90